# Altium PCB CameraControler0.0.PcbDoc (continued)
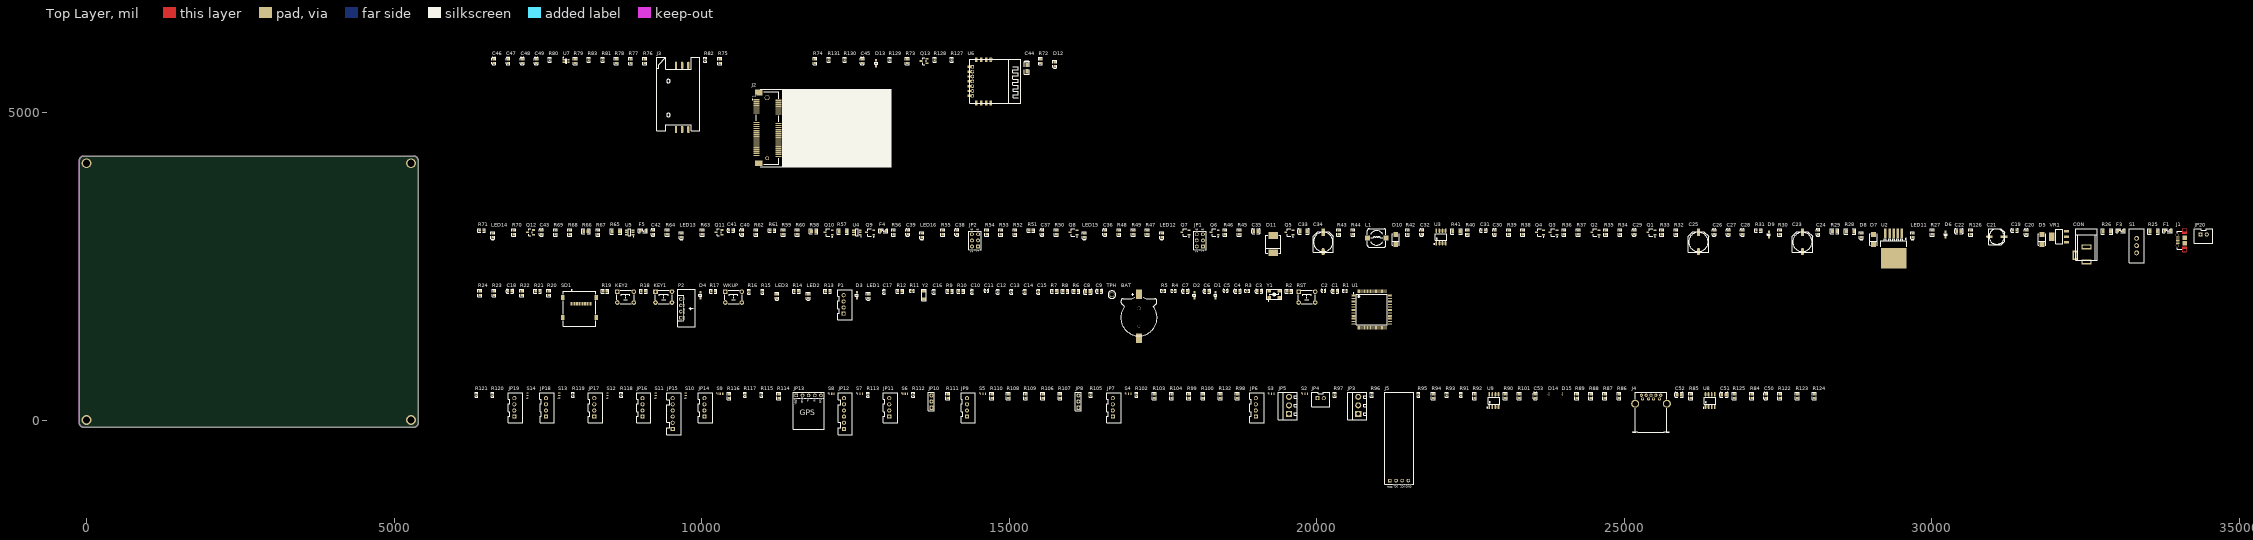
[diagram p0: Top Layer view]
## Footprints (in the part's own frame and the unit in brackets; to place one, negate y for a bottom-side part, rotate by r counter-clockwise, add the part's x,y. Pads: shape width x height; smd on the part's side, far side on the other; paste and mask are expansions set on the pad) (continued)
  oval 1.05x1.25 hole 0.65 slot 0.85 at 90 deg: Shell(-2.225,3.055) Shell(2.225,3.055)
  rect 1.8x1.9 smd: Shell(-1.15,0) Shell(1.15,0)
  round 0 / inner round 0 / far side oval 1.4x2.1 hole 0.825 slot 1.5 at 90 deg: Shell(4.175,0)
  Top Layer region: -4.353,-0.95 -4.544,-0.912 -4.706,-0.804 -4.814,-0.641 -4.852,-0.45 -4.852,-0.45 -4.852,0.65 -4.83,0.765 -4.765,0.862 -4.667,0.927 -4.553,0.95 -4.553,0.95 -2.668,0.95 -2.668,-0.95
  Top Layer region: 4.353,-0.95 4.544,-0.912 4.706,-0.804 4.814,-0.641 4.852,-0.45 4.852,-0.45 4.852,0.65 4.83,0.765 4.765,0.862 4.667,0.927 4.553,0.95 4.553,0.95 2.668,0.95 2.668,-0.95
  silkscreen extent -3.7,1.25 3.7,2.97, body extent -4.3,-2.64 4.3,3.23, height 2.76
MT8266WIFI-H [mm] "Anylink-ESP8266"
  rect 2x1 smd: 1(0,14.9) 2(0,12.9) 3(0,10.9) 4(0,8.9) 5(0,6.9) 6(0,4.9) 7(0,2.9)
  rect 1.5x1.5 hole 0.8: 1(1,14.896)
  round 1.5 hole 0.8: 2(1,12.896) 3(1,10.896) 4(1,8.896) 5(1,6.896) 6(1,4.896) 7(1,2.896) 12(8.65,18)
  rect 1x2 smd: 8(2.65,0) 9(4.65,0) 10(6.65,0) 11(8.65,0) 12(8.65,17.8) 13(6.65,17.8) 14(4.65,17.8) 15(2.65,17.8)
  silkscreen extent 0,-0.2 21,18
ONSC-SOD-923-2-514AB-01_V [mm] "SOD, 2-Leads, Body 0.8x0.6mm"
  rect 0.36x0.25 smd: 1(-0.42,0) 2(0.42,0)
  silkscreen extent -0.47,0.48 -0.37,0.57, body extent -0.4,-0.3 0.4,0.3, height 0.4
PCIEmin-i [mm]
  rect 0.5x2.5 smd: 1(24.3,4.35) 2(23.9,-4.75) 3(23.5,4.35) 4(23.1,-4.75) 5(22.7,4.35) 6(22.3,-4.75) 7(21.9,4.35) 8(21.5,-4.75) 9(21.1,4.35) 10(20.7,-4.75) 11(20.3,4.35) 12(19.9,-4.75) 13(19.5,4.35) 14(19.1,-4.75) 15(18.7,4.35) 16(18.3,-4.75) 17(14.7,4.35) 18(14.3,-4.75) 19(13.9,4.35) 20(13.5,-4.75) 21(13.1,4.35) 22(12.7,-4.75) 23(12.3,4.35) 24(11.9,-4.75) 25(11.5,4.35) 26(11.1,-4.75) 27(10.7,4.35) 28(10.3,-4.75) 29(9.9,4.35) 30(9.5,-4.75) 31(9.1,4.35) 32(8.7,-4.75) 33(8.3,4.35) 34(7.9,-4.75) 35(7.5,4.35) 36(7.1,-4.75) 37(6.7,4.35) 38(6.3,-4.75) 39(5.9,4.35) 40(5.5,-4.75) 41(5.1,4.35) 42(4.7,-4.75) 43(4.3,4.35) 44(3.9,-4.75) 45(3.5,4.35) 46(3.1,-4.75) 47(2.7,4.35) 48(2.3,-4.75) 49(1.9,4.35) 50(1.5,-4.75) 51(1.1,4.35) 52(0.7,-4.75)
  rect 2.3x3.2 smd: 53(27.133,3.512) 54(-2.15,3.5)
  round 2.1 hole 1.6: MH1(25,0)
  round 1.6 hole 1.1: MH2(0,0)
  round 5 hole 3: MH3(24.616,-48) MH4(0.38,-48)
  silkscreen extent -3.47,-51.31 28.54,6.15, body extent -2.49,-4.8 27.51,4.5, height 9.9
SC-70-6(SOT-363) [mm]
  rect 1x0.42 smd mask+0.051: 1(-0.97,0.65) 2(-0.97,0) 3(-0.97,-0.65) 4(0.97,-0.65) 5(0.97,0) 6(0.97,0.65)
  silkscreen extent -1.32,-1 0.2,1.52, body extent -1.2,-1.1 1.2,1.1, height 1.1
"SIM Card" [mm] "MUP , 6P"
  oval 3x1 smd: 1(-26.5,-5.08) 2(-26.5,-2.54) 3(-26.5,0) 4(0,-5.08) 5(0,-2.54) 6(0,0)
  silkscreen extent -27.1,-9.89 3.3,7.96, body extent -26.48,-9.85 3.16,7.35, height 2.6
SMA(DO-214AC)_S1 [mm]
  rect 2x2 smd: 1(2.1,0) 2(-2.1,0)
  silkscreen extent -2.35,-1.5 2.35,1.5, body extent -2.52,-1.4 2.52,1.4, height 2.29
SMC(DO-214AB)_S1 [mil]
  rect 110x150 smd: 1(140.49,0) 2(-140.49,0)
  silkscreen extent -146,-122 146,122, body extent -149,-123 149,123, height 104
SOD-323 [mm]
  rect 1x0.83 smd: 1(1.18,0) 2(-1.18,0)
  silkscreen extent -0.4,-0.6 0.4,0.6, body extent -1.35,-0.62 1.35,0.63, height 1.1
SOP-8_150mil [mm]
  oval 0.7x1.8 smd: 1(-1.905,-2.6) 2(-0.635,-2.6) 3(0.635,-2.6) 4(1.905,-2.6) 5(1.905,2.6) 6(0.635,2.6) 7(-0.635,2.6) 8(-1.905,2.6)
  silkscreen extent -2.9,-3.07 2.4,1.4, body extent -2.5,-3.1 2.5,3.1, height 1.75
SOT-23(SOT-23-3) [mm]
  rect 1.25x0.7 smd: 1(1.25,-0.95) 2(1.25,0.95) 3(-1.25,0)
  silkscreen extent -0.65,-1.46 0.9,1.46, body extent -1.5,-1.5 1.5,1.5, height 1.3
SOT-23-3L [mm] "http://www.aosmd.com/res/packaging_information/SOT-23-3L.pdf"
  rect 1.15x0.65 smd: 1(1.475,-0.95) 2(1.475,0.95) 3(-1.475,0)
  silkscreen extent -0.9,-1.95 1.6,1.55, body extent -0.9,-1.55 0.9,1.55, height 1.25
SOT-23-6 [mm]
  rect 1.1x0.6 smd: 1(1.4,-0.95) 2(1.4,0) 3(1.4,0.95) 4(-1.4,0.95) 5(-1.4,0) 6(-1.4,-0.95)
  silkscreen extent -0.5,-1.87 1.73,1.4, body extent -1.4,-1.45 1.4,1.45, height 1.45
SOT-223 [mm]
  rect 2.2x1 smd: 1(3,-2.3) 2(3,0) 3(3,2.3)
  rect 2.2x3.5 smd: 2(-3,0)
  silkscreen extent -1.4,-3 1.4,3, body extent -3.49,-3.24 3.49,3.24, height 1.64
SS-12D10 [mm] "脚距3mm"
  round 2 hole 1.2: 1(-3,0) 2(0,0) 3(3,0)
  silkscreen extent -7,-3.1 7,3.1, body extent -7,-3.1 7,3.1, height 9.65
STM-LQFP100_L [mm] "Thin QFP, 100-Leads, Body 14x14mm, Pitch 0.5mm, IPC High Density"
  oval 1.55x0.25 smd: 1(-7.525,6) 2(-7.525,5.5) 3(-7.525,5) 4(-7.525,4.5) 5(-7.525,4) 6(-7.525,3.5) 7(-7.525,3) 8(-7.525,2.5) 9(-7.525,2) 10(-7.525,1.5) 11(-7.525,1) 12(-7.525,0.5) 13(-7.525,0) 14(-7.525,-0.5) 15(-7.525,-1) 16(-7.525,-1.5) 17(-7.525,-2) 18(-7.525,-2.5) 19(-7.525,-3) 20(-7.525,-3.5) 21(-7.525,-4) 22(-7.525,-4.5) 23(-7.525,-5) 24(-7.525,-5.5) 25(-7.525,-6) 51(7.525,-6) 52(7.525,-5.5) 53(7.525,-5) 54(7.525,-4.5) 55(7.525,-4) 56(7.525,-3.5) 57(7.525,-3) 58(7.525,-2.5) 59(7.525,-2) 60(7.525,-1.5) 61(7.525,-1) 62(7.525,-0.5) 63(7.525,0) 64(7.525,0.5) 65(7.525,1) 66(7.525,1.5) 67(7.525,2) 68(7.525,2.5) 69(7.525,3) 70(7.525,3.5) 71(7.525,4) 72(7.525,4.5) 73(7.525,5) 74(7.525,5.5) 75(7.525,6)
  oval 0.25x1.55 smd: 26(-6,-7.525) 27(-5.5,-7.525) 28(-5,-7.525) 29(-4.5,-7.525) 30(-4,-7.525) 31(-3.5,-7.525) 32(-3,-7.525) 33(-2.5,-7.525) 34(-2,-7.525) 35(-1.5,-7.525) 36(-1,-7.525) 37(-0.5,-7.525) 38(0,-7.525) 39(0.5,-7.525) 40(1,-7.525) 41(1.5,-7.525) 42(2,-7.525) 43(2.5,-7.525) 44(3,-7.525) 45(3.5,-7.525) 46(4,-7.525) 47(4.5,-7.525) 48(5,-7.525) 49(5.5,-7.525) 50(6,-7.525) 76(6,7.525) 77(5.5,7.525) 78(5,7.525) 79(4.5,7.525) 80(4,7.525) 81(3.5,7.525) 82(3,7.525) 83(2.5,7.525) 84(2,7.525) 85(1.5,7.525) 86(1,7.525) 87(0.5,7.525) 88(0,7.525) 89(-0.5,7.525) 90(-1,7.525) 91(-1.5,7.525) 92(-2,7.525) 93(-2.5,7.525) 94(-3,7.525) 95(-3.5,7.525) 96(-4,7.525) 97(-4.5,7.525) 98(-5,7.525) 99(-5.5,7.525) 100(-6,7.525)
  silkscreen extent -7.65,-6.35 6.35,6.8, body extent -7,-7 7,7, height 1.6
SWITCH_SPOT [mm]
  rect 0.5x1 smd: 1(0,0) 2(1,0) 3(2,0)
TO-263-5 [mm]
  rect 8.4x10.65 smd: 0(-10.3,0)
  rect 3.8x1.05 smd: 1(0,-3.4) 2(0,-1.7) 3(0,0) 4(0,1.7) 5(0,3.4)
  silkscreen extent -5.65,-5.35 -2.1,5.35, body extent -12.78,-5.26 -3.13,5.39, height 4.83
"TSW DIP-6*6*8" [mm] "6*6*8mm"
  rect 1.9x1.9 hole 1: 1(-3.4,2.25)
  round 1.9 hole 1: 1(3.4,2.25) 2(-3.4,-2.25) 2(3.4,-2.25)
  silkscreen extent -3.56,-2.79 3.56,2.79, body extent -4.11,-3 4.11,3, height 7.95
USB3.0-i [mm] "USB 3.0 Type A Horizontal"
  round 1.3 hole 0.7: 1(-3.5,5.54) 2(-1,5.54) 3(1,5.54) 4(3.5,5.54) 5(4,7.04) 6(2,7.04) 7(0,7.04) 8(-2,7.04) 9(-4,7.04)
  round 3.3 hole 2.3: Shell(-6.57,3.54) Shell(6.57,3.54)
  silkscreen extent -7.55,-8.24 7.55,8.24, body extent -7.74,-8.24 7.74,8.31, height 8.03
XH2.54-2P [mm] "接插件，2P"
  rect 1.7x1.7 hole 0.9: 1(0,0)
  round 1.7 hole 0.9: 2(2.54,0)
  silkscreen extent -2.54,-3.51 5.01,2.37, body extent -2.5,-3.3 5.04,2.4, height 7.05
XH2.54-4P [mm] "接插件，4P"
  rect 1.7x1.7 hole 0.9: 1(0,0)
  round 1.7 hole 0.9: 2(2.54,0) 3(5.08,0) 4(7.62,0)
  silkscreen extent -2.49,-3.45 9.88,2.49, body extent -2.5,-3.3 10.12,2.4, height 7.03
XH2.54-6P [mm] "接插件，6P"
  rect 1.7x1.7 hole 0.9: 1(0,0)
  round 1.7 hole 0.9: 2(2.54,0) 3(5.08,0) 4(7.62,0) 5(10.16,0) 6(12.7,0)
  silkscreen extent -2.39,-3.43 14.91,2.39, body extent -2.5,-3.3 15.2,2.4, height 7.03
XTAL-3215/F135 [mm]
  rect 1.2x1.5 smd: 1(-1.65,0) 2(1.65,0)
  silkscreen extent -2.41,-0.89 2.41,0.89, body extent -1.6,-0.75 1.6,0.75, height 0.81
XTAL-5032-4P [mm]
  rect 1.5x1.2 smd: 1(-2.108,-1.27) 2(2.108,-1.27) 3(2.108,1.27) 4(-2.108,1.27)
  silkscreen extent -3.35,-2.95 3.15,2.11, body extent -2.5,-1.6 2.5,1.6, height 1

## Part data
C1 C6 C7 C9 C18 C19 C20 C24 C26 C31 C40 C43 C45 C50 C53: library part "Cap 0603 100nF (104) 10% 50V", "贴片电容", Package=0603, SuppliersPartNumber=C14663, ComponentLink1Description=供应商链接, ComponentLink1URL=http://www.szlcsc.com/product/details_15331.html, Supplier=LC
C2 C5 C16 C17: library part "Cap 0402 22pF (220) 5% 50V", "贴片电容", Package=0402, SuppliersPartNumber=C1555, ComponentLink1Description=供应商链接, ComponentLink1URL=http://www.szlcsc.com/product/details_1907.html, Supplier=LC
C3 C4: library part "Cap 0603 2.2uF (225) 10% 16V", "贴片电容", Package=0603, SuppliersPartNumber=C23630, ComponentLink1Description=供应商链接, ComponentLink1URL=http://www.szlcsc.com/product/details_24366.html, Supplier=LC
C8 C22 C51: library part "Cap 0805 10uF (106) 10% 25V", "贴片电容", Package=0805, SuppliersPartNumber=C15850, ComponentLink1Description=供应商链接, ComponentLink1URL=http://www.szlcsc.com/product/details_16532.html, Supplier=LC
C10 C11 C12 C13 C14 C15: library part "Cap 0402 100nF (104) 10% 16V", "贴片电容", Package=0402, SuppliersPartNumber=C1525, ComponentLink1Description=供应商链接, ComponentLink1URL=http://www.szlcsc.com/product/details_1877.html, Supplier=LC
C21: library part "Cap+ CT6.3*5.4 220uF/16V", "电解电容"
C23 C25 C34: library part "Cap+ CT8*10.2 470uF/16V", "电解电容"
C27: library part "Cap 0603 10pF (100) 5% 50V", "贴片电容", Package=0603, SuppliersPartNumber=C1634, ComponentLink1Description=供应商链接, ComponentLink1URL=http://www.szlcsc.com/product/details_1986.html, Supplier=LC
C28 C46 C47 C48 C49: library part "Cap 0603 33pF (330) 5% 50V", "贴片电容", Package=0603, SuppliersPartNumber=C1663, ComponentLink1Description=供应商链接, ComponentLink1URL=http://www.szlcsc.com/product/details_2015.html, Supplier=LC
C29 C30 C32 C36 C38 C41: library part "Cap 0603 1uF (105) 10% 50V", "贴片电容", Package=0603, SuppliersPartNumber=C15849, ComponentLink1Description=供应商链接, ComponentLink1URL=http://www.szlcsc.com/product/details_16531.html, Supplier=LC
C33: library part "Cap 1206 10uF (106) 10% 50V", "贴片电容", Package=1206, SuppliersPartNumber=C13585, ComponentLink1Description=供应商链接, ComponentLink1URL=http://www.szlcsc.com/product/details_14236.html, Supplier=LC
C35: library part "Cap 0805 22uF (226) 20% 25V", "贴片电容", Package=0805, SuppliersPartNumber=C45783, ComponentLink1Description=供应商链接, ComponentLink1URL=http://www.szlcsc.com/product/details_46786.html, Supplier=LC
C37: library part "Cap 0603 220pF (221) 10% 50V", "贴片电容", Package=0603, SuppliersPartNumber=C1603, ComponentLink1Description=供应商链接, ComponentLink1URL=http://www.szlcsc.com/product/details_1955.html, Supplier=LC
C39 C42: library part "Cap 0603 1nF (102) 10% 50V", "贴片电容", Package=0603, SuppliersPartNumber=C1588, ComponentLink1Description=供应商链接, ComponentLink1URL=http://www.szlcsc.com/product/details_1940.html, Supplier=LC
C44: library part "3216 10uF (106) 10% 16V", "钽电容", Package=3216, SuppliersPartNumber=C7171, ComponentLink1Description=供应商链接, ComponentLink1URL=http://www.szlcsc.com/product/details_7643.html, Supplier=LC
C52: library part "Cap 0805 100nF(104) 10% 50V", "贴片电容", Package=0805, SuppliersPartNumber=C49678, ComponentLink1Description=供应商链接, ComponentLink1URL=http://www.szlcsc.com/product/details_50686.html, Supplier=LC
CON: library part PWR-DC, "低压电源接口", BOM名称=DC电源接口, 学习资源=www.ooocke.com, 版权归属=源创客
D1 D2 D3 D4: library part "DIO SOD-323 1N4148WS T4", "二极管", Package=SOD-323, SuppliersPartNumber=C2128, ComponentLink1Description=供应商链接, ComponentLink1URL=http://www.szlcsc.com/product/details_2485.html, Supplier=LC
D5 D7 D10: library part "SMA(DO-214AC) B350A", "Schottky Diodes", Package=SMA(DO-214AC), ComponentLink1Description=供应商链接, ComponentLink1URL=http://www.szlcsc.com/product/details_2841.html
D6 D9: library part "SOD-323 SD24C", "TVS; ESD 抑制器/TVS 二极管", Package=SMB/DO-214AA, SuppliersPartNumber=C78395, ComponentLink1Description=供应商链接, ComponentLink1URL=http://www.szlcsc.com/product/details_79530.html, Supplier=LC
D8: library part "LED 0603 红灯", "发光二极管", Package=0603, SuppliersPartNumber=C2286, ComponentLink1Description=供应商链接, ComponentLink1URL=http://www.szlcsc.com/product/details_2659.html, Supplier=LC
D11: library part "SMC(DO-214AB) SS34", "SMC/DO-214AB, D Schottky"
D12 LED3: library part "LED 0603 蓝灯", "发光二极管", Package=0603, SuppliersPartNumber=C72041, ComponentLink1Description=供应商链接, ComponentLink1URL=http://www.szlcsc.com/product/details_73150.html, Supplier=LC
D13: library part "SOD-323 LESD3Z5.0T1G", "TVS/ESD, SOD-323, 5V", Package=SMB/DO-214AA, SuppliersPartNumber=C78395, ComponentLink1Description=供应商链接, ComponentLink1URL=http://www.szlcsc.com/product/details_79530.html, Supplier=LC
D14 D15: library part "SOD-923 ESD9L5.0ST5G", "Transient Voltage Suppressor, ESD Protection Diode with Ultra-Low Capacitance, 2-Pin SOD-923, Pb-Free, Tape and Reel, CMP-1063-00114-1", Manufacturer="On Semiconductor", C Max (pF)=0.9, ComponentLink1Description="Manufacturer URL", ComponentLink1URL=http://www.onsemi.com/, ComponentLink2Description=Datasheet, ComponentLink2URL=http://www.onsemi.cn/pub_link/Collateral/ESD9L-D.PDF, ComponentLink3Description="Package Specification", ComponentLink3URL=http://www.onsemi.com/pub_link/Collateral/514AB.PDF, DatasheetVersion="Rev. 5", Direction=Unidirectional, IR Max (uA)=1, Mounting Technology="Surface Mount", Number of Lines=1, PackageDescription="2-Pin SOD, Body 0.8 x 0.6 mm", PackageReference=SOD-923-2-514AB-01, PackageVersion="Rev. C, 03/2011", Packing="Tape and Reel", PartNumber=ESD9L5.0ST5G, RoHS=Pb-Free, V(BR) Min (V)=5.4, VRWM Max (V)=5
F1 F4 F5: library part "FU PPTC MSMD 5V 2A", "自恢复保险丝", BOM名称=贴片保险丝, 学习资源=www.ooocke.com, 版权归属=源创客
F3: library part "FU PPTC MSMD 5V 3A", "自恢复保险丝", BOM名称=贴片保险丝, 学习资源=www.ooocke.com, 版权归属=源创客
J1: library part "MicroUSB MOLX-47589-0001", "Right Angle Female Type AB Micro USB Connector, 30 V, 1.8 A, -30 to 85 degC, RoHS, Tape and Reel", Contact Resistance=30mOhm, Manufacturer="Wurth Elektronik", Operating Temperature=-40to85degC, Package Reference=629105150921, Rated Current=1.8A, Working Voltage=30VAC, Connector Type=MicroUSB2.0TypeAB, Datasheet URL=https://katalog.we-online.de/em/datasheet/629105150921.pdf, Gender=Receptacle, Manufacturer URL=http://www.we-online.de, Mounting Technology=SMT, Orientation=Horizontal, Packaging=TapeandReel, Part Number=629105150921, Publisher=WurthElektronik
J2: library part PCIE-Mini, "Female Header, Pitch 0.8 mm, 2 x 26 Position, Height 9.9 mm, -40 to 85 degC, RoHS, Tape and Reel, CMP-2000-05614-1, 48338-0099", Manufacturer=Molex, Package Description="52-Pin Surface Mount Device, Body 30 x 9.3 mm, Pitch 0.8 mm", Package Reference=48338-0099, =0483380099, Brand=Molex, Contact Material=CopperAlloy, Contact Plating=Gold, Datasheet URL=http://www.molex.com/pdm_docs/sd/483380099_sd.pdf, Datasheet Version="Rev. F, 06/2009", Factory Pack Quantity=300, Housing Material=Thermoplastic, Manufacturer URL=http://www.molex.com/, Mounting Angle=Right, Mounting Style=SMD/SMT, Mounting Technology=SurfaceMount, Number of Positions=52, Number of Positions / Contacts=52, Packaging=Reel, Product Category=PCIExpress/PCIConnectors, Product Type=MiniPCI, RoHS=Details, Series=48338
J3: library part "SIM Card MUP", "MUP, 6P", Manufacturer="Wurth Elektronik", Operating Temperature=-25to85degC, Package Reference=693010020611, Rated Current=0.5A, Withstanding Voltage=500VAC, Working Voltage=50VAC, Datasheet URL=https://katalog.we-online.de/em/datasheet/693010020611.pdf, Manufacturer URL=http://www.we-online.de, Mounting Technology=SMT, Packaging=TapeandReel, Part Number=693010020611, Publisher=WurthElektronik, Taobao=https://item.taobao.com/item.htm?spm=a230r.1.14.37.7dfabe7eHV2uMn&id=550214241835&ns=1&abbucket=6#detail
J4: library part "USB 3.0 Type A", "USB 3.0 Type A Receptacle WR-COM, Horizontal, THT", Contact Resistance=50mOhm, Manufacturer="Wurth Elektronik", Operating Temperature=-20to85degC, Package Reference=692121030100, Rated Current=0.25A, Working Voltage=30VAC, Connector Type=USB3.0TypeA, Datasheet URL=https://katalog.we-online.de/em/datasheet/692121030100.pdf, Gender=Receptacle, Manufacturer URL=http://www.we-online.de, Mounting Technology=THT, Orientation=Horizontal, Packaging=TapeandReel, Part Number=692121030100, Publisher=WurthElektronik
J5: library part "HDR-4P OLED 0.91", "Header, 4-Pin", LatestRevisionDate=17-Jul-2002, LatestRevisionNote="Re-released for DXP Platform.", Publisher="Altium Limited"
JP1 JP2: library part "Header HDR-2X3", "3*2P接插件", BOM名称=3*2P接插件, 学习资源=www.ooocke.com, 版权归属=源创客
JP3 JP5 JP8 JP10: library part "Header HDR-1X3", "3P接插件", BOM名称=3P接插件, 学习资源=www.ooocke.com, 版权归属=源创客
JP4 JP20: library part "Header XH-2.56-2P", "Male Header, Pitch 2.5 mm, 1 x 2 Position, Height 7 mm, Tail Length 3.4 mm, -25 to 85 degC, RoHS, Bulk", Manufacturer=JST, Package Description="Male Header, Pitch 2.5 mm, 1 x 2 Position, Height 7 mm, Tail Length 3.4 mm", Package Reference=B2B-XH-A, Datasheet URL=http://www.jst-mfg.com/product/pdf/eng/eXH.pdf, Datasheet Version=05/2016, Manufacturer URL=http://www.jst.com/home2.html, Mounting Technology=ThroughHole, No of Positions=2, Pitch=2.5mm, Style/Orientation=StraightHeader/Plug, Termination=Crimp, Type=ShroudedHeader
JP6 JP7 JP9 JP11 JP14 JP16 JP17 JP18 JP19 P1: library part "Header XH-2.56-4P", "Male Header, Pitch 2.5 mm, 1 x 4 Position, Height 7 mm, Tail Length 8.4 mm, -25 to 85 degC, RoHS, Bulk", Manufacturer=JST, Package Description="Male Header, Pitch 2.5 mm, 1 x 2 Position, Height 7 mm, Tail Length 3.4 mm", Package Reference=B2B-XH-A, Datasheet URL=http://www.jst-mfg.com/product/pdf/eng/eXH.pdf, Datasheet Version=05/2016, Manufacturer URL=http://www.jst.com/home2.html, Mounting Technology=ThroughHole, No of Positions=2, Pitch=2.5mm, Style/Orientation=StraightHeader/Plug, Termination=Crimp, Type=ShroudedHeader
JP12 JP15: library part "Header XH-2.56-6P", "Male Header, Pitch 2.5 mm, 1 x 4 Position, Height 7 mm, Tail Length 8.4 mm, -25 to 85 degC, RoHS, Bulk", Manufacturer=JST, Package Description="Male Header, Pitch 2.5 mm, 1 x 2 Position, Height 7 mm, Tail Length 3.4 mm", Package Reference=B2B-XH-A, Datasheet URL=http://www.jst-mfg.com/product/pdf/eng/eXH.pdf, Datasheet Version=05/2016, Manufacturer URL=http://www.jst.com/home2.html, Mounting Technology=ThroughHole, No of Positions=2, Pitch=2.5mm, Style/Orientation=StraightHeader/Plug, Termination=Crimp, Type=ShroudedHeader
JP13: "Header, 5-Pin", LatestRevisionDate=17-Jul-2002, LatestRevisionNote="Re-released for DXP Platform.", Publisher="Altium Limited"
KEY1 KEY2 RST WKUP: library part KEY_M
L1: library part "IUD CDRH74 10uH", "IUD CDRH74 10uH"
LED1: library part "LED 0603 绿灯", "发光二极管", Package=0603, SuppliersPartNumber=C72043, ComponentLink1Description=供应商链接, ComponentLink1URL=http://www.szlcsc.com/product/details_73152.html, Supplier=LC
LED2 LED11 LED12 LED13 LED14 LED15 LED16: library part "LED 0603 黄灯", "发光二极管", Package=0603, SuppliersPartNumber=C72038, ComponentLink1Description=供应商链接, ComponentLink1URL=http://www.szlcsc.com/product/details_73147.html, Supplier=LC
P2: library part "HAR-4P UART", "Header, 4-Pin", LatestRevisionDate=17-Jul-2002, LatestRevisionNote="Re-released for DXP Platform.", Publisher="Altium Limited"
Q1 Q2 Q4 Q6 Q7 Q8 Q10: library part "NMOS SOT-23 AO3400A X0YV1T", "MOS(场效应管) NMOS", Package=SOT-23, SuppliersPartNumber=C20917, ComponentLink1Description=供应商链接, ComponentLink1URL=http://www.szlcsc.com/product/details_21629.html, Supplier=LC
Q3 Q5 Q9: library part "PMOS SOT-23 AO3401A X13A15", "MOS(场效应管) PMOS", Package=SOT-23, SuppliersPartNumber=C15127, ComponentLink1Description=供应商链接, ComponentLink1URL=http://www.szlcsc.com/product/details_15801.html, Supplier=LC
Q11 Q12: library part "NPN SOT-23 SS8050 Y1", "NPN 三极管", Package=SOT-23, SuppliersPartNumber=C2150, ComponentLink1Description=供应商链接, ComponentLink1URL=http://www.szlcsc.com/product/details_2507.html, Supplier=LC
Q13: library part "SOT-23 SS8050 Y1", "三极管", Package=SOT-23, SuppliersPartNumber=C2150, ComponentLink1Description=供应商链接, ComponentLink1URL=http://www.szlcsc.com/product/details_2507.html, Supplier=LC
R1 R4 R5 R15 R16 R127 R128 R129 R130 R131: library part "Res 0402 0Ω (0R0) 1%", "贴片电阻", Package=0402, SuppliersPartNumber=C17168, ComponentLink1Description=供应商链接, ComponentLink1URL=http://www.szlcsc.com/product/details_17853.html, Supplier=LC
R2 R7 R8 R9 R10 R36 R46 R50 R60 R75 R84 R85 R86 R87 R122 R125: library part "Res 0603 10KΩ (1002) 1%", "贴片电阻", Package=0603, SuppliersPartNumber=C25804, ComponentLink1Description=供应商链接, ComponentLink1URL=http://www.szlcsc.com/product/details_26547.html, Supplier=LC
R3 R11: library part "Res 0402 1MΩ (1004) 1%", "贴片电阻", Package=0402, SuppliersPartNumber=C26083, ComponentLink1Description=供应商链接, ComponentLink1URL=http://www.szlcsc.com/product/details_26826.html, Supplier=LC
R6: library part "Res 0603 10Ω (10R0) 1%", "贴片电阻", Package=0603, SuppliersPartNumber=C22859, ComponentLink1Description=供应商链接, ComponentLink1URL=http://www.szlcsc.com/product/details_23586.html, Supplier=LC
R12 R13 R14 R17 R18 R19 R27 R43 R54 R61 R63 R67 R69 R70 R72 R73 R74 R98 R99 R110 R111 R114 R116 R123 R124 R126: library part "Res 0603 4.7KΩ (4701) 1%", "贴片电阻", Package=0603, SuppliersPartNumber=C23162, ComponentLink1Description=供应商链接, ComponentLink1URL=http://www.szlcsc.com/product/details_23889.html, Supplier=LC
R20 R21 R22 R23 R24 R33 R64 R71: library part "Res 0603 47KΩ (4702) 1%", "贴片电阻", Package=0603, SuppliersPartNumber=C25819, ComponentLink1Description=供应商链接, ComponentLink1URL=http://www.szlcsc.com/product/details_26562.html, Supplier=LC
R25 R26 R28 R41 R57 R65: library part "Res 1206 0Ω (0R0) 1%", "贴片电阻", Package=1206, SuppliersPartNumber=C17888, ComponentLink1Description=供应商链接, ComponentLink1URL=http://www.szlcsc.com/product/details_18576.html, Supplier=LC
R29 R58 R66: library part "Res 0805 51KΩ (5102) 1%", "贴片电阻", Package=0805, SuppliersPartNumber=C17737, ComponentLink1Description=供应商链接, ComponentLink1URL=http://www.szlcsc.com/product/details_18425.html, Supplier=LC
R30: library part "Res 0603 82KΩ (8202) 1%", "贴片电阻", Package=0603, SuppliersPartNumber=C25981, ComponentLink1Description=供应商链接, ComponentLink1URL=http://www.szlcsc.com/product/details_26724.html, Supplier=LC
R31: library part "Res 0603 470Ω (4700) 1%", "贴片电阻", Package=0603, SuppliersPartNumber=C23179, ComponentLink1Description=供应商链接, ComponentLink1URL=http://www.szlcsc.com/product/details_23906.html, Supplier=LC
R32 R35 R38 R39 R42 R45 R49 R52 R55 R59 R62 R68: library part "Res 0603 100KΩ (1003) 1%", "贴片电阻", Package=0603, SuppliersPartNumber=C25803, ComponentLink1Description=供应商链接, ComponentLink1URL=http://www.szlcsc.com/product/details_26546.html, Supplier=LC
R34 R37 R44 R48 R56 R88 R89 R100 R101 R103 R104 R106 R107 R108 R109 R132: library part "Res 0603 0Ω (0R0) 1%", "贴片电阻", Package=0603, SuppliersPartNumber=C21189, ComponentLink1Description=供应商链接, ComponentLink1URL=http://www.szlcsc.com/product/details_21903.html, Supplier=LC
R40: library part "Res 0603 124KΩ 1%", "贴片电阻", Package=0603, SuppliersPartNumber=C22975, ComponentLink1Description=供应商链接, ComponentLink1URL=http://www.szlcsc.com/product/details_23702.html, Supplier=LC
R47: library part "Res 0603 40.2KΩ 1%", "贴片电阻", Package=0603, SuppliersPartNumber=C22975, ComponentLink1Description=供应商链接, ComponentLink1URL=http://www.szlcsc.com/product/details_23702.html, Supplier=LC
R51: library part "Res 0603 200KΩ (2003) 1%", "贴片电阻", Package=0603, SuppliersPartNumber=C25811, ComponentLink1Description=供应商链接, ComponentLink1URL=http://www.szlcsc.com/product/details_26554.html, Supplier=LC
R53: library part "Res 0603 68.1KΩ 1%", "贴片电阻", Package=0603, SuppliersPartNumber=C22975, ComponentLink1Description=供应商链接, ComponentLink1URL=http://www.szlcsc.com/product/details_23702.html, Supplier=LC
R76: library part "Res 0603 15KΩ (1502) 1%", "贴片电阻", Package=0603, SuppliersPartNumber=C22809, ComponentLink1Description=供应商链接, ComponentLink1URL=http://www.szlcsc.com/product/details_23536.html, Supplier=LC
R77 R78 R79: library part "Res 0603 22Ω (22R0) 1%", "贴片电阻", Package=0603, SuppliersPartNumber=C23345, ComponentLink1Description=供应商链接, ComponentLink1URL=http://www.szlcsc.com/product/details_24078.html, Supplier=LC
R80 R81 R82 R83 R91 R93 R95 R96 R97 R102 R105 R112 R113 R115 R117 R118 R119 R120 R121: library part "Res 0402 22Ω (22R0) 1%", "贴片电阻", Package=0402, SuppliersPartNumber=C25092, ComponentLink1Description=供应商链接, ComponentLink1URL=http://www.szlcsc.com/product/details_25835.html, Supplier=LC
R90 R92: library part "Res 0603 360Ω (3600) 1%", "贴片电阻", Package=0603, SuppliersPartNumber=C25194, ComponentLink1Description=供应商链接, ComponentLink1URL=http://www.szlcsc.com/product/details_25937.html, Supplier=LC
R94: library part "Res 0603 120Ω (1200) 1%", "贴片电阻", Package=0603, SuppliersPartNumber=C22787, ComponentLink1Description=供应商链接, ComponentLink1URL=http://www.szlcsc.com/product/details_23514.html, Supplier=LC
S1: library part "SW SSW-1P", "1路波动开关", BOM名称=波动开关, 学习资源=www.ooocke.com, 版权归属=源创客
S2 S3 S4 S5 S6 S7 S8 S9 S10 S11 S12 S13 S14: library part "SW SPOT_SW-1P", "1路开关", BOM名称=波动开关, 学习资源=www.ooocke.com, 版权归属=源创客
SD1: library part MicroSD_Card, "MicroSD Card Connector, Hinge Type, -40 to 85 degC, 8-Pin SMD, RoHS, Tape and Reel, CMP-2000-05245-1", Current Rating=500mA, Manufacturer=Molex, Voltage Rating=100VDC, =0472192001, Brand=Molex, Card Type=microSD, Contact Material=CopperAlloy, Datasheet URL=http://www.molex.com/pdm_docs/sd/472192001_sd.pdf, Datasheet Version="Rev. F, 06/2009", Factory Pack Quantity=2400, Housing Material=Thermoplastic, Insertion - Extraction Style=Hinged, Manufacturer URL=http://www.molex.com/, Mounting Style=SMD/SMT, Number of Contacts=8, Packaging=Reel, Pitch=1.09mm, Product=CardConnectors, Product Category=MemoryCardConnectors, RoHS=Details, Series=47219, Termination Style=SMD
TPH: library part TPH5011, "Test Point, Black, Through Hole, RoHS, Bulk, CMP-1672-00003-4, 5011", Colour=Black, Manufacturer=Keystone, Package Quantity=100, ComponentLink1Description="Manufacturer URL", ComponentLink1URL=http://www.keyelco.com/, ComponentLink2Description=Datasheet, ComponentLink2URL=http://www.keyelco.com/product-pdf.cfm?p=1320, Contact Material=Bronze, Contact Plating=Silver, DatasheetVersion="Rev. F, 12/2013", Height="8.12 mm", Mount="Through Hole", Mounting Technology="Through Hole", PackageDescription="1-Pin Through Hole Device, Dia 3.17 mm", PackageReference=5011, Packaging=Bulk, Pins=1, REACH SVHC="No SVHC", RoHSCompliant=true
U1: "ARM", Package=LQFP-100_14x14x05P, SuppliersPartNumber=C12345, ComponentLink1Description=供应商链接, ComponentLink1URL=http://www.szlcsc.com/product/details_12968.html, Supplier=LC
U2: "3A"
U3: "DC-DC电源芯片"
U4 U5: "Integrated Load Switch, 3 to 20 V, -55 to 150 degC, 6-Pin SOT23, RoHS, Tape and Reel, CMP-2000-04940-1", Continuous Drain Current Id=2.3A, Current Limit=2.5A, Distribution Switch Case Style=SSOT, Drain Source Voltage Vds=20V, Load Pulsed Current=10A, Manufacturer=Fairchild, On Resistance Rds(on)=0.08ohm, On State Resistance=0.054ohm, Operating Temperature Max=150degC, Operating Temperature Min=-55degC, Operating Temperature Range=-55degCto+150degC, Package / Case=SuperSOT-6, Package Description="6-Pin Small Outline Transistor, Body 2.9 x 1.6 mm, Pitch 0.95 mm", Package Reference=SOT23-6, Package Version="Rev. 5, 05/2015", Power Dissipation Pd=0.7W, Power Load Switch Type=HighSide, Voltage Drop @ Vin 12V=0.2V, Voltage In Min=3V, Voltage Off=8V, Cont Load Current=2.3A, Datasheet URL=https://datasheet.ciiva.com/1572/276121-1572006.pdf, Datasheet Version="Rev. C, 02/1999", Input Voltage=20V, Input Voltage Max=20V, Internal Switch=Yes, Manufacturer URL=https://www.fairchildsemi.com/, No. of Outputs=1, No. of Pins=6, No. of Transistors=2, On / Enable Input Polarity=ActiveHigh, Output Current Max=10A, Package URL=https://www.fairchildsemi.com/package-drawings/MA/MA06A.pdf, Power Dissipation Ptot Max=0.7W, Protection Type=Yes, Pulse Current Idm=10A, SMD Marking=3544916, SVHC=NoSVHC(19-Dec-2012), Thermal Protection=Yes, Transistor Polarity=NandPComplement, Transistor Type=MOSFET, Uni / Bi Directional Polarity=NP, Voltage In Max=20V
U6: library part MT8266WIFI, "MT8266WIFI"
U7: library part SMF05CT1G_[C15879]_i, "TVS", Package=SC-70-6(SOT-363), SuppliersPartNumber=C15879, ComponentLink1Description=供应商链接, ComponentLink1URL=http://www.szlcsc.com/product/details_16561.html, Supplier=LC
U8: "EEROM"
U9: library part MAX3485
VR1: library part "SOT-223 AMS1117-3.3", "低压差线性稳压(LDO)", Package=SOT-223, SuppliersPartNumber=C6186, ComponentLink1Description=供应商链接, ComponentLink1URL=http://www.szlcsc.com/product/details_6652.html, Supplier=LC
Y1: library part "XTAL SMD-5032_4P 8MHz 10ppm 20pF", "贴片晶振; 402F40012IKR; 8MHz 10ppm 20pF -40C +85C", CLASS=IC
Y2: library part "XTAL SMD-3215_2P 32.768KHz 20ppm 12.5pF", "贴片晶振", Package=SMD-3215_2P, SuppliersPartNumber=C32346, ComponentLink1Description=供应商链接, ComponentLink1URL=http://www.szlcsc.com/product/details_33310.html, Supplier=LC

## Via types
v1: diameter 157.48, hole 118.11, Top Layer to Bottom Layer, 4 vias

## Nets (pads, with @x,y where several pads share a name; then routed paths per layer and width w, separated by ;. In a path a pad name is that pad's centre, name@x,y a point inside that pad or via, vN(x,y) a via of type N, cw(c..) or ccw(c..) an arc to the next point about the centre after c; other vN are vias at no path point)
3.3V_VCC: C18.1 D1.1 D3.1 LED1.A LED2.A LED3.A R2.1 R15.1 R16.1 R20.1 R21.1 R22.1 R23.1 R24.1 SD1.4
3.3V_VCC.: R7.1 R9.1
3.3V_VDD: C10.1 C11.1 C12.1 C13.1 C14.1 C15.1 R6.1 U1.11 U1.19 U1.28 U1.50 U1.75 U1.100
+3.3V_VCC: C20.2 C21.1 C32.2 C50.1 Q5.2 R42.2 R44.2 R123.1 R124.1 R126.2 U8.8 VR1.2
+3.3V_VCC_4G: J2.2 J2.39 J2.41 J2.52 R28.2 R72.2 R75.1
+3.3V_VCC_OUT3.3: C36.2 JP2.2 JP2.4 JP2.6 Q5.3 R44.1 R54.2 R101.1 S2.1 S3.1 S4.1 S5.1 S6.1 S7.1 S8.1 S9.1 S10.1 S11.1 S12.1 S13.1 S14.1
+3.3V_VCC_WiFi: C44.1 R41.2 U6.1
+5V_VBAT: R25.2 R26.2 S1.2
+5V_VBAT_IN: C29.2 C38.2 D4.1 D5.1 D6.2 D7.1 D10.1 F3.2 F4.2 F5.2 Q3.2 Q9.2 R35.2 R37.2 R55.2 R56.2
+5V_VCC_CAM: R57.2 R88.1 R89.1
+5V_VCC_OUT: JP4.1 R65.2
+5V_VCC_OUT5: C41.2 JP1.1 JP1.3 JP1.5 Q9.3 R46.2 R56.1 S2.3 S3.3 S4.3 S5.3 S6.3 S7.3 S8.3 S9.3 S10.3 S11.3 S12.3 S13.3 S14.3
+5V_VCC_USB: C30.2 Q3.3 R37.1
ADC_CH1: R100.2 R132.1 U1.15
ADC_CH2: R103.2 R104.1 U1.16
ADC_CH3: R106.2 R107.1 U1.17
ADC_CH4: R108.2 R109.1 U1.18
BOOT0: R7.2 R8.1 U1.94
BOOT1: R9.2 R10.1 U1.37
Cam_Connect: J4.8 R84.1 U1.4
Cam_TakePhoto: J4.7 R125.1 U1.5
EC25_DTR: R80.1 U1.60
EC25_PERST#: R73.1 U1.61
EC25_RI: R81.1 U1.57
EC25_W_DISABLE: R83.2 U1.88
EC25_WAKE#: R82.1 U1.62
GND: BAT.2 C1.1 C2.2 C3.1 C4.1 C5.2 C6.1 C7.2 C8.1 C9.1 C10.2 C11.2 C12.2 C13.2 C14.2 C15.2 C16.2 C17.2 C18.2 C19.1 C20.1 C21.2 C22.1 C23.2 C24.1 C25.2 C26.1 C27.1 C28.1 C29.1 C30.1 C32.1 C33.2 C34.2 C35.1 C36.1 C38.1 C40.1 C41.1 C43.1 C44.2 C45.1 C46.1 C47.1 C48.1 C49.1 C50.2 C51.1 C52.1 C53.2 CON.2 CON.3 D6.1 D8.K D9.1 D11.1 D13.1 D14.2 D15.2 J1.5 J1.Shell J2.4 J2.9 J2.15 J2.18 J2.21 J2.26 J2.27 J2.29 J2.34 J2.35 J2.37 J2.40 J2.43 J2.50 J2.53 J2.54 J2.MH1 J2.MH2 J2.MH3 J2.MH4 J3.4 J4.5 J4.Shell J5.4 JP1.2 JP1.4 JP1.6 JP2.1 JP2.3 JP2.5 JP3.3 JP4.2 JP5.3 JP6.2 JP7.3 JP8.3 JP9.2 JP10.3 JP11.3 JP12.5 JP13.2 JP14.3 JP15.5 JP16.3 JP17.3 JP18.3 JP19.3 JP20.2 KEY1.2 KEY2.2 LED11.K LED12.K LED13.K LED14.K LED15.K LED16.K P1.4 P2.2 Q1.2 Q2.2 Q4.2 Q6.2 Q7.2 Q8.2 Q10.2 Q11.2 Q12.2 Q13.2 R8.2 R10.2 R31.1 R33.1 R38.1 R39.1 R47.1 R49.1 R51.2 R52.1 R53.1 R61.2 R62.1 R64.2 R69.2 R71.2 R74.2 R85.2 R86.2 R87.2 R90.2 R104.2 R107.2 R109.2 R122.1 R132.2 RST.1 SD1.6 SD1.9 SD1.10 SD1.11 SD1.12 U1.10 U1.20 U1.27 U1.74 U1.99 U2.0 U2.3 U3.5 U6.7 U7.2 U8.4 U9.5 VR1.1 WKUP.2 Y1.2 Y1.4
I2C1_SCL: R124.2 U1.95 U8.6
I2C1_SDA: R123.2 U1.96 U8.5
I2C2_SCL: JP14.2 JP17.2 JP19.2 R114.2 U1.47
I2C2_SDA: JP14.1 JP17.1 JP19.1 R116.2 U1.48
I2C_SCL_OLED: R97.2 U1.84
I2C_SCL_S1: JP7.2 R98.2 U1.92
I2C_SCL_S2: JP11.2 R110.2 U1.81
I2C_SDA_OLED: R96.2 U1.85
I2C_SDA_S1: JP7.1 R99.2 U1.93
I2C_SDA_S2: JP11.1 R111.2 U1.82
IO1_IN: R112.2 U1.33
IO1_OUT: R102.2 U1.38
IO2_IN: R113.2 U1.34
IO2_OUT: R105.2 U1.39
KEY1: R18.1 U1.97
KEY2: R19.1 U1.98
KEY_WKUP: R1.1 R17.1 U1.23
LED1: R12.1 U1.1
LED2: R13.1 U1.2
LED3: R14.1 U1.3
LED_WWAN#: D12.K J2.42
LOG_RXD: P2.4 U1.69
LOG_TXD: P2.3 U1.68
NetBAT_1: BAT.1 D2.1
NetC1_2: C1.2 R2.2 RST.2 U1.14
NetC2_1: C2.1 R3.2 U1.12 Y1.1
NetC3_2: C3.2 U1.49
NetC4_2: C4.2 U1.73
NetC5_1: C5.1 R3.1 U1.13 Y1.3
NetC6_2: C6.2 R4.1 R5.1 U1.21
NetC7_1: C7.1 D1.2 D2.2 U1.6
NetC19_2: C19.2 C22.2 D5.2 VR1.3
NetC23_1: C23.1 C24.2 D7.2 D9.2 R29.2 R32.2 U2.2
NetC25_1: C25.1 C26.2 C27.2 C28.2 R27.2 R28.1 R30.2 R31.2 U2.4
NetC31_1: C31.1 U3.8
NetC31_2: C31.2 D11.2 L1.2 U3.1
NetC33_1: C33.1 D10.2 R45.1 U3.7
NetC34_1: C34.1 C35.2 L1.1 R40.2 R41.1 R43.2
NetC37_1: C37.1 R53.2
NetC37_2: C37.2 U3.3
NetC39_1: C39.1 C40.2 R57.1 R60.2 U4.2 U4.3
NetC39_2: C39.2 R59.1 U4.6
NetC42_1: C42.1 C43.2 R65.1 R67.2 U5.2 U5.3
NetC42_2: C42.2 R68.1 U5.6
NetC46_2: C46.2 J3.6 R76.1 R79.2 U7.1
NetC47_2: C47.2 J3.3 R78.2 U7.3
NetC48_2: C48.2 J3.2 R77.2 U7.4
NetC53_1: C53.1 R92.2 R101.2 U9.8
NetCON_1: CON.1 JP20.1 R26.1
NetD3_2: D3.2 P1.1
NetD4_2: D4.2 P2.1
NetD8_A: D8.A R126.1
NetD12_A: D12.A R72.1
NetF1_1: F1.1 R25.1
NetF1_2: F1.2 J1.1
NetF3_1: F3.1 S1.3
NetF4_1: F4.1 R58.2 R59.2 U4.4
NetF5_1: F5.1 R66.2 R68.2 U5.4
NetJ2_1: J2.1 R75.2 R82.2
NetJ2_17: J2.17 R81.2
NetJ2_20: J2.20 R83.1
NetJ2_31: J2.31 R80.2
NetJ4_4: J4.4 R88.2
NetJ4_6: J4.6 R89.2
NetJ5_1: J5.1 R96.1
NetJ5_2: J5.2 R97.1
NetJ5_3: J5.3 S2.2
NetJP3_1: JP3.1 JP5.1 R90.1 R94.1 U9.7
NetJP3_2: JP3.2 JP5.2 R92.1 R94.2 U9.6
NetJP6_1: JP6.1 S3.2
NetJP6_3: JP6.3 R102.1
NetJP6_4: JP6.4 R105.1
NetJP7_4: JP7.4 R98.1 R99.1 S4.2
NetJP8_1: JP8.1 R100.1
NetJP8_2: JP8.2 R103.1
NetJP9_1: JP9.1 S5.2
NetJP9_3: JP9.3 R112.1
NetJP9_4: JP9.4 R113.1
NetJP10_1: JP10.1 R106.1
NetJP10_2: JP10.2 R108.1
NetJP11_4: JP11.4 R110.1 R111.1 S6.2
NetJP12_6: JP12.6 S7.2
NetJP13_1: JP13.1 S8.2
NetJP13_3: JP13.3 R115.1
NetJP13_4: JP13.4 R117.1
NetJP14_4: JP14.4 R114.1 R116.1 S9.2
NetJP15_6: JP15.6 S10.2
NetJP16_1: JP16.1 R119.1
NetJP16_2: JP16.2 R118.1
NetJP16_4: JP16.4 S11.2
NetJP17_4: JP17.4 S12.2
NetJP18_1: JP18.1 R121.1
NetJP18_2: JP18.2 R120.1
NetJP18_4: JP18.4 S13.2
NetJP19_4: JP19.4 S14.2
NetKEY1_1: KEY1.1 R18.2
NetKEY2_1: KEY2.1 R19.2
NetLED1_K: LED1.K R12.2
NetLED2_K: LED2.K R13.2
NetLED3_K: LED3.K R14.2
NetLED11_A: LED11.A R27.1
NetLED12_A: LED12.A R43.1
NetLED13_A: LED13.A R60.1
NetLED14_A: LED14.A R67.1
NetLED15_A: LED15.A R46.1
NetLED16_A: LED16.A R54.1
NetQ1_1: Q1.1 Q2.3 R32.1 R34.2
NetQ1_3: Q1.3 R29.1 U2.1
NetQ2_1: Q2.1 R34.1 R36.2 R38.2
NetQ3_1: Q3.1 Q4.3 R35.1
NetQ5_1: Q5.1 Q6.3 R42.1
NetQ7_1: Q7.1 Q8.3 R48.2
NetQ7_3: Q7.3 R45.2 U3.2
NetQ8_1: Q8.1 R48.1 R50.2 R52.2
NetQ9_1: Q9.1 Q10.3 R55.1
NetQ11_1: Q11.1 R63.2 R64.1
NetQ11_3: Q11.3 R58.1 U4.5
NetQ12_1: Q12.1 R70.2 R71.1
NetQ12_3: Q12.3 R66.1 U5.5
NetQ13_1: Q13.1 R73.2 R74.1
NetR5_2: R5.2 TPH.1
NetR17_2: R17.2 WKUP.1
NetR30_1: R30.1 R33.2 U2.5
NetR40_1: R40.1 R47.2 U3.4
NetR51_1: R51.1 U3.6
NetR61_1: R61.1 U4.1
NetR69_1: R69.1 U5.1
NetR85_1: R85.1 U8.1
NetR86_1: R86.1 U8.2
NetR87_1: R87.1 U8.3
NetR91_2: R91.2 U9.1
NetR93_2: R93.2 U9.2 U9.3
NetR95_2: R95.2 U9.4
NetR122_2: R122.2 U8.7
NetR127_2: R127.2 U6.2
NetR128_2: R128.2 U6.3
NetR129_2: R129.2 U6.4
NetR130_2: R130.2 U6.5
NetR131_2: R131.2 U6.6
OSC32_IN: C16.1 R11.2 U1.8 Y2.2
OSC32_OUT: C17.1 R11.1 U1.9 Y2.1
PRESET: C45.2 D13.2 J2.22 Q13.3
PWRER_CAM: R63.1 U1.43
PWRER_MIC: R36.1 U1.41
PWRER_MP: R50.1 U1.40
PWRER_OUT: R70.1 U1.42
PWRER_OUT3.3: Q6.1 R49.2 U1.45
PWRER_OUT5: Q10.1 R62.2 U1.46
PWRER_USB: Q4.1 R39.2 U1.44
RS485_RE: R93.1 U1.36
SDIO_CMD: R22.2 SD1.3 U1.83
SDIO_D0: R23.2 SD1.7 U1.65
SDIO_D1: R24.2 SD1.8 U1.66
SDIO_D2: R20.2 SD1.1 U1.78
SDIO_D3: R21.2 SD1.2 U1.79
SDIO_SCK: SD1.5 U1.80
SPI2_CSN: JP12.4 U1.51
SPI2_MISO: JP12.2 U1.53
SPI2_MOSI: JP12.1 U1.54
SPI2_SCLK: JP12.3 U1.52
SPI3_CSN: JP15.4 U1.77
SPI3_MISO: JP15.2 U1.90
SPI3_MOSI: JP15.1 U1.91
SPI3_SCLK: JP15.3 U1.89
SWCLK: P1.3 U1.76
SWDIO: P1.2 U1.72
UART2_RXD_1: R119.2 U1.26
UART2_RXD_2: R121.2 U1.87
UART2_TXD_1: R118.2 U1.25
UART2_TXD_2: R120.2 U1.86
UART3_CTS: J2.25 U1.58
UART3_RTS: J2.23 U1.59
UART3_RXD: J2.13 U1.56
UART3_TXD: J2.11 U1.55
UART4_RXD: R115.2 U1.24
UART4_TXD: R1.2 R117.2
UART6_RXD: R91.1 U1.64
UART6_TXD: R95.1 U1.63
USB_DM: D15.1 J4.2 U1.70
USB_DP: D14.1 J4.3 U1.71
USIM_CLK: J2.12 R78.1
USIM_DATA: J2.10 R79.1
USIM_RST: J2.14 R77.1
USIM_VDD: C49.2 J2.8 J3.1 R76.2 U7.5
VCC_USB: C51.2 C52.2 J4.1 R84.2 R125.2
VDD3.3: R15.2 R16.2
VDDA: C8.2 C9.2 R4.2 R6.2 U1.22
WiFi_EN: U1.35 U6.12
WiFi_MISO: R128.1 U1.31
WiFi_MOSI: R129.1 U1.32
WiFi_nCS: R130.1 U1.29
WiFi_nRST: R131.1 U1.67
WiFi_SCLK: R127.1 U1.30
pads on no net: BAT.0 J1.2 J1.3 J1.4 J2.3 J2.5 J2.6 J2.7 J2.16 J2.19 J2.24 J2.28 J2.30 J2.32 J2.33 J2.36 J2.38 J2.44 J2.45 J2.46 J2.47 J2.48 J2.49 J2.51 J3.5 J4.9 JP13.5 S1.1 U1.7 U6.8 U6.9 U6.10 U6.11 U6.13 U6.14 U6.15 U7.6
copper on no net:
  other v1: 0,0 5275.59,0 0,4173.23 5275.59,4173.23

## Keep-outs
Keep-Out Layer:
  lines w10: -118.11,-43.31 -118.11,4216.54 cw(c-43.31,4216.54) -43.31,4291.34 5318.9,4291.34 cw(c5318.9,4216.54) 5393.7,4216.54 5393.7,-43.31 cw(c5318.9,-43.31) 5318.9,-118.11 -43.31,-118.11 ; -117.91,-43.11 ccw(c-43.11,-43.11) -43.11,-117.91

## Text inside footprints (layer, text, board x,y; h text height)
J1: Mechanical 2 "PCB Edge" at 34188.74,2877.01 h16 r90
J2: Top Overlay "1" at 10878.98,5235.56 h47.24 r90
J4: Bottom Overlay "NC" at 25260,155.72 h39.37 r270; Bottom Overlay "IN" at 25347,159 h39.37 r270; Bottom Overlay "ACT" at 25427,136.04 h39.37 r270; Bottom Overlay "DC" at 25504,155.72 h39.37 r270; Bottom Overlay "GND" at 25572,136.04 h39.37 r270; Bottom Overlay "VCC" at 25303,-18.68 h39.37 r270; Bottom Overlay "DM" at 25380,1 h39.37 r270; Bottom Overlay "DP" at 25462,1 h39.37 r270; Bottom Overlay "DC" at 25536,1 h39.37 r270
J5: Top Overlay "VCC" at 21438,-1054 h50 r180; Top Overlay "SDA" at 21236,-1057 h50 r180; Top Overlay "SCL" at 21327,-1054 h50 r180; Top Overlay "GND" at 21544,-1056 h50 r180
JP1: Top Overlay "1" at 18170,2730.31 h40 r90; Top Overlay "2" at 18070,2720.31 h40 r90; Top Overlay "5" at 18170,3080.31 h40 r90; Top Overlay "6" at 18070,3080.31 h40 r90
JP2: Top Overlay "1" at 14515,2730.31 h40 r90; Top Overlay "2" at 14415,2720.31 h40 r90; Top Overlay "5" at 14515,3080.31 h40 r90; Top Overlay "6" at 14415,3080.31 h40 r90
JP13: Top Overlay "PPS" at 11952,273.61 h23.62 r90; Top Overlay "RX" at 11855,297.23 h23.62 r90; Top Overlay "TX" at 11752,297.23 h23.62 r90; Top Overlay "GND" at 11652,273.61 h23.62 r90; Top Overlay "VBAT" at 11547,250 h23.62 r90; Top Overlay "GPS" at 11598,47 h157.48
P2: Top Overlay "VCC" at 9751.89,1616.39 h50 r90; Top Overlay "RX" at 9751.33,1836.39 h50 r90; Top Overlay "TX" at 9751.33,1936.39 h50 r90; Top Overlay "GND" at 9751.89,1715.39 h50 r90
S2: Top Overlay "1" at 19745,421 h15.75
S3: Top Overlay "1" at 19200,421 h15.75
S4: Top Overlay "1" at 16875,421 h15.75
S5: Top Overlay "1" at 14510,421 h15.75
S6: Top Overlay "1" at 13245,421 h15.75
S7: Top Overlay "1" at 12510,421 h15.75
S8: Top Overlay "1" at 12050,421 h15.75
S9: Top Overlay "1" at 10240,421 h15.75
S10: Top Overlay "1" at 9754,335 h15.75 r90
S11: Top Overlay "1" at 9264,335 h15.75 r90
S12: Top Overlay "1" at 8479,335 h15.75 r90
S13: Top Overlay "1" at 7694,335 h15.75 r90
S14: Top Overlay "1" at 7179,335 h15.75 r90